# Altium PCB can_gateway_v3s_hardwave.PcbDoc (part 1 of 2) (continued)
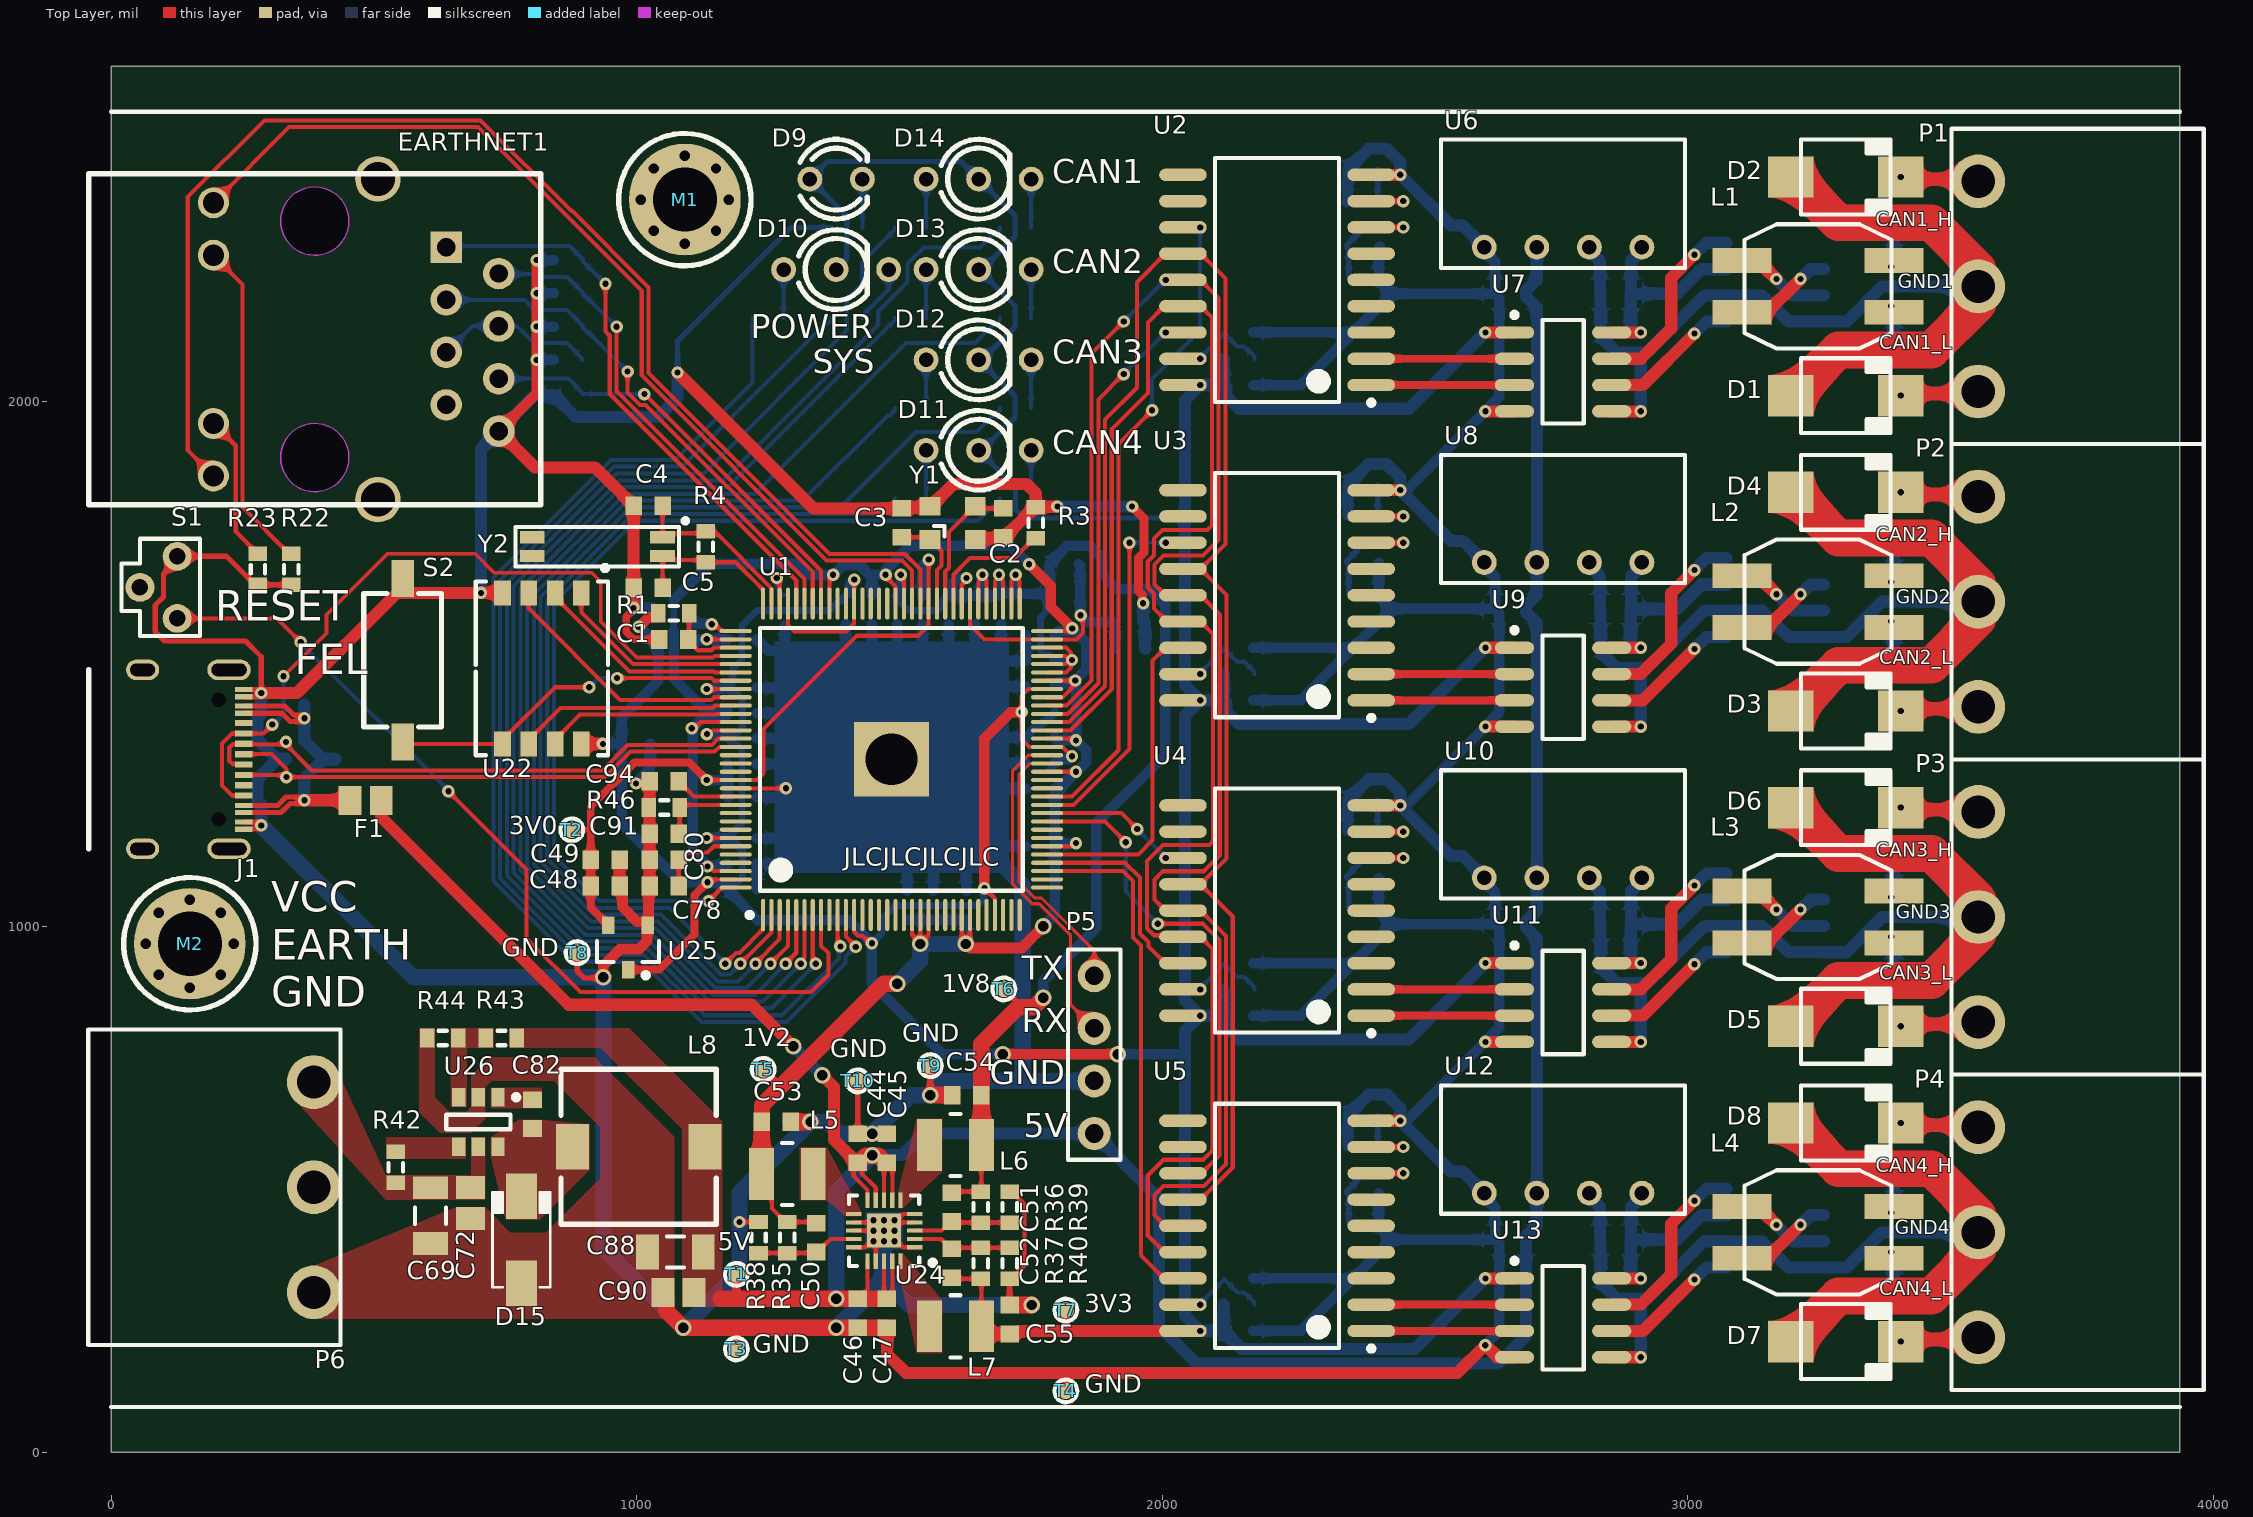
[diagram p0: Top Layer view]
## Footprints (in the part's own frame and the unit in brackets; to place one, negate y for a bottom-side part, rotate by r counter-clockwise, add the part's x,y. Pads: shape width x height; smd on the part's side, far side on the other; paste and mask are expansions set on the pad)
B_S-1WR2 [mm]
  round 1.2 hole 0.7: 1(0,0) 2(2.54,0) 3(5.08,0) 4(7.62,0)
  silkscreen extent -2.09,-1 9.71,5.2
CAPC1608L [mm] "Chip Capacitor, Body 1.6x0.8mm, IPC High Density"
  rect 0.8x0.9 smd: 1(-0.7,0) 2(0.7,0)
  body extent -0.87,-0.48 0.87,0.48, height 0.85
CAPC2012L [mm] "Chip Capacitor, Body 2.0x1.3mm, IPC High Density"
  rect 1.1x1.4 smd: 1(-0.75,0) 2(0.75,0)
  body extent -1.1,-0.72 1.1,0.72, height 1.4
CAPC3216L [mm] "Chip Capacitor, Body 3.2x1.6mm, IPC High Density"
  rect 1.1x1.7 smd: 1(-1.35,0) 2(1.35,0)
  silkscreen extent -0.4,-0.75 0.4,0.75, body extent -1.7,-0.9 1.7,0.9, height 1.35
DO-214AA [mm] "SMB"
  rect 2.2x2 smd: 1(-2.659,0) 2(2.661,0)
  silkscreen extent -2.16,-1.81 2.16,1.81
DO-214AC [mm] "SMA"
  rect 2.2x1.5 smd: 1(-2.1,0) 2(2.1,0)
  silkscreen extent -2.3,-1.4 2.3,1.4, body extent -2.6,-1.3 2.6,1.3, height 2.42
FUSE2012L [mm] "Body 2.0x1.2mm, IPC Low Density"
  rect 1.1x1.4 smd: 1(-0.75,0) 2(0.75,0)
  body extent -1.1,-0.72 1.1,0.72, height 1.4
HDR1X4 [mm] "Connector; Header; 4 Position"
  round 1.6 hole 0.9: 1(0,0) 2(2.54,0) 3(5.08,0) 4(7.62,0)
  silkscreen extent -1.27,-1.27 8.89,1.27
HR911105A [mm]
  rect 1.524x1.524 hole 0.889: 1(4.45,-6.35)
  round 1.524 hole 0.889: 2(3.18,-8.89) 3(1.91,-6.35) 4(0.64,-8.89) 5(-0.63,-6.35) 6(-1.9,-8.89) 7(-3.17,-6.35) 8(-4.44,-8.89)
  round 1.5 hole 1.02: 9(6.6,4.9) 10(4.064,4.9) 11(-4.064,4.9) 12(-6.6,4.9)
  round 2.2 hole 1.65: 13(7.75,-3.048) 14(-7.75,-3.048)
  Keep-Out Layer circle w0.051: c5.716,0 r1.65
  Keep-Out Layer circle w0.051: c-5.714,0 r1.65
  silkscreen extent -8,-10.92 8,10.92
IND0163-B [mm]
  rect 2.85x1.2 smd: 1(0,0) 2(7.35,0) 3(7.35,2.5) 4(0,2.5)
  silkscreen extent 0.13,-1.75 7.23,4.25
IND3012_L [mm] "Precision Wire Wound Inductor, 2-Leads, Body 3.00x3.00mm, IPC High Density"
  rect 1.2x2.5 smd: 1(-1.25,0) 2(1.25,0)
  silkscreen extent -0.25,-1.5 0.25,1.5, body extent -1.5,-1.5 1.5,1.5, height 1.2
IND_7545 [mm]
  rect 1.6x2.2 smd: 1(0,0) 2(6.4,0)
  silkscreen extent -0.55,-3.75 6.95,3.75
KF2EDGR-5.08-3P_S [mm]
  round 2.6 hole 1.6: 1(0,0) 2(5.08,0) 3(10.16,0)
  silkscreen extent -2.54,-1.3 12.7,10.9
LED_3 [mm] "3MM 发光二极管"
  round 1.2 hole 0.7: 1(-1.27,0) 2(1.27,0)
  silkscreen extent -1.74,-1.92 1.5,1.92
LED_3x2 [mm] "3MM 红绿双色 共阳 发光二极管"
  round 1.2 hole 0.7: 1(-2.54,0) 2(0,0) 3(2.54,0)
  silkscreen extent -1.81,-1.92 1.5,1.92
M3 [mm]
  round 0.5 hole 0.5: 1(-2.125,0) 1(-1.503,-1.503) 1(-1.503,1.503) 1(0,-2.125) 1(0,2.125) 1(1.503,-1.503) 1(1.503,1.503) 1(2.125,0)
  round 5.4 hole 3.1: 1(0,0)
MC-146 [mm] "kHz无源晶体 7.0mmx1.5mm"
  rect 1.2x0.6 smd: 0(6.3,0) 0(6.3,0.9) 1(0,0) 2(0,0.9)
  silkscreen extent -1.2,-0.9 7.1,1.4
QFN8_L [mm] "QFN, 8-Leads, Body 8.00x6.00mm, Pitch 1.27mm, IPC High Density"
  rect 1.2x0.8 smd: 1(-3.65,1.905) 2(-3.65,0.635) 3(-3.65,-0.635) 4(-3.65,-1.905) 5(3.65,-1.905) 6(3.65,-0.635) 7(3.65,0.635) 8(3.65,1.905)
  silkscreen extent -4.97,-3.2 4.2,3.2, body extent -4.05,-3.05 4.05,3.05, height 0.95
QFN20_L [mm] "QFN, 20-Leads, Body 3.00x3.00mm, Pitch 0.40mm, Thermal Pad 1.65x1.65mm, IPC High Density"
  rect 0.75x0.2 smd: 1(-1.475,0.8) 2(-1.475,0.4) 3(-1.475,0) 4(-1.475,-0.4) 5(-1.475,-0.8) 11(1.475,-0.8) 12(1.475,-0.4) 13(1.475,0) 14(1.475,0.4) 15(1.475,0.8)
  rect 0.2x0.75 smd: 6(-0.8,-1.475) 7(-0.4,-1.475) 8(0,-1.475) 9(0.4,-1.475) 10(0.8,-1.475) 16(0.8,1.475) 17(0.4,1.475) 18(0,1.475) 19(-0.4,1.475) 20(-0.8,1.475)
  rect 1.65x1.65 smd: 21(0,0)
  silkscreen extent -2.48,-1.7 1.7,1.7, body extent -1.55,-1.55 1.55,1.55, height 0.8
RESC1005L [mm] "Chip Resistor, Body 1.1x0.5mm, IPC High Density"
  rect 0.6x0.6 smd: 1(-0.5,0) 2(0.5,0)
  body extent -0.55,-0.3 0.55,0.3, height 0.4
RESC1608L [mm] "Chip Resistor, Body 1.6x0.8mm, IPC High Density"
  rect 0.7x0.9 smd: 1(-0.75,0) 2(0.75,0)
  silkscreen extent -0.2,-0.35 0.2,0.35, body extent -0.85,-0.48 0.85,0.48, height 0.6
RESC3216L [mm] "Chip Resistor, Body 3.2x1.6mm, IPC High Density"
  rect 1.1x1.7 smd: 1(-1.35,0) 2(1.35,0)
  silkscreen extent -0.4,-0.75 0.4,0.75, body extent -1.68,-0.87 1.68,0.87, height 0.71
SOIC8_L [mm] "SOIC, 8-Leads, Body 4.9x3.9mm, Pitch 1.27mm, IPC High Density"
  oval 1.9x0.6 smd: 1(-2.35,1.905) 2(-2.35,0.635) 3(-2.35,-0.635) 4(-2.35,-1.905) 5(2.35,-1.905) 6(2.35,-0.635) 7(2.35,0.635) 8(2.35,1.905)
  silkscreen extent -2.47,-2.5 1,2.88, body extent -2,-2.5 2,2.5, height 1.75
SOIC18_N [mm] "SOIC, 18-Leads, Body 11.5x7.5mm, Pitch 1.27mm, IPC Medium Density"
  oval 2.3x0.6 smd: 1(-4.55,5.08) 2(-4.55,3.81) 3(-4.55,2.54) 4(-4.55,1.27) 5(-4.55,0) 6(-4.55,-1.27) 7(-4.55,-2.54) 8(-4.55,-3.81) 9(-4.55,-5.08) 10(4.55,-5.08) 11(4.55,-3.81) 12(4.55,-2.54) 13(4.55,-1.27) 14(4.55,0) 15(4.55,1.27) 16(4.55,2.54) 17(4.55,3.81) 18(4.55,5.08)
  silkscreen extent -4.67,-5.9 3,6.05, body extent -3.8,-5.95 3.8,5.95, height 2.65
SOT23-6_L [mm] "SOT23, 6-Leads, Body 2.9x1.6mm, Pitch 0.95mm, Lead Span 2.7mm, IPC High Density"
  rect 0.9x0.65 smd: 1(-1.2,0.95) 2(-1.2,0) 3(-1.2,-0.95) 4(1.2,-0.95) 5(1.2,0) 6(1.2,0.95)
  silkscreen extent -1.32,-1.55 0.35,1.95, body extent -0.9,-1.55 0.9,1.55, height 1.45
SOT23_L [mm] "SOT23, 3-Leads, Body 2.9x1.3mm, Pitch 0.95mm, Lead Span 2.3mm - Reverse Pinning, IPC High Density"
  rect 0.85x0.6 smd: 1(1.075,0) 2(-1.075,-0.95) 3(-1.075,0.95)
  silkscreen extent -0.3,-1.5 1.48,1.5, body extent -0.7,-1.5 0.7,1.5, height 1.1
SW-3x6 [mm] "3x6x2.5mm"
  rect 1.8x1.1 smd: 1(0,0) 2(7.9,0)
  silkscreen extent 0.72,-1.88 7.18,1.88
SW_4.5x3.8 [mm] "边三脚 4.5*4.5*3.8MM 微动开关"
  round 1.4 hole 0.8: 1(-1.5,0.9) 2(1.5,0.9) 3(0,-0.9)
  silkscreen extent -2.35,-1.8 2.35,2
TEST_POINT_0.8 [mm] "测试点"
  round 0.8 smd: 1(0,0)
  silkscreen extent -0.55,-0.55 0.55,0.55
USB_TYPEC_16P [mm]
  rect 0x0 hole 0.7 unplated: 0(-1.065,-2.5) 0(4.715,-2.5)
  rect 0.25x0.85 smd: 1(-1.2,-1.285) 2(-0.4,-1.285) 7(4.05,-1.285) 8(4.85,-1.285) 9(5.2,-1.285) 10(4.4,-1.285) 15(-0.75,-1.285) 16(-1.55,-1.285)
  rect 0.3x0.85 smd: 3(0.575,-1.285) 4(1.575,-1.285) 5(2.075,-1.285) 6(3.075,-1.285) 11(3.575,-1.285) 12(2.575,-1.285) 13(1.075,-1.285) 14(0.075,-1.285)
  oval 1x2.1 hole 0.6 slot 1.7 at 90 deg: 17(-2.5,-2) 17(6.15,-2)
  oval 1x1.6 hole 0.6 slot 1.2 at 90 deg: 17(-2.5,-6.18) 17(6.15,-6.18)
  silkscreen extent -2.5,-8.78 6.15,-8.78
V3S_L [mm] "Thin QFP, 128-Leads, Body 14x14mm, Pitch 0.4mm, IPC High Density"
  oval 1.55x0.2 smd: 1(-7.525,6.2) 2(-7.525,5.8) 3(-7.525,5.4) 4(-7.525,5) 5(-7.525,4.6) 6(-7.525,4.2) 7(-7.525,3.8) 8(-7.525,3.4) 9(-7.525,3) 10(-7.525,2.6) 11(-7.525,2.2) 12(-7.525,1.8) 13(-7.525,1.4) 14(-7.525,1) 15(-7.525,0.6) 16(-7.525,0.2) 17(-7.525,-0.2) 18(-7.525,-0.6) 19(-7.525,-1) 20(-7.525,-1.4) 21(-7.525,-1.8) 22(-7.525,-2.2) 23(-7.525,-2.6) 24(-7.525,-3) 25(-7.525,-3.4) 26(-7.525,-3.8) 27(-7.525,-4.2) 28(-7.525,-4.6) 29(-7.525,-5) 30(-7.525,-5.4) 31(-7.525,-5.8) 32(-7.525,-6.2) 65(7.525,-6.2) 66(7.525,-5.8) 67(7.525,-5.4) 68(7.525,-5) 69(7.525,-4.6) 70(7.525,-4.2) 71(7.525,-3.8) 72(7.525,-3.4) 73(7.525,-3) 74(7.525,-2.6) 75(7.525,-2.2) 76(7.525,-1.8) 77(7.525,-1.4) 78(7.525,-1) 79(7.525,-0.6) 80(7.525,-0.2) 81(7.525,0.2) 82(7.525,0.6) 83(7.525,1) 84(7.525,1.4) 85(7.525,1.8) 86(7.525,2.2) 87(7.525,2.6) 88(7.525,3) 89(7.525,3.4) 90(7.525,3.8) 91(7.525,4.2) 92(7.525,4.6) 93(7.525,5) 94(7.525,5.4) 95(7.525,5.8) 96(7.525,6.2)
  oval 0.2x1.55 smd: 33(-6.2,-7.525) 34(-5.8,-7.525) 35(-5.4,-7.525) 36(-5,-7.525) 37(-4.6,-7.525) 38(-4.2,-7.525) 39(-3.8,-7.525) 40(-3.4,-7.525) 41(-3,-7.525) 42(-2.6,-7.525) 43(-2.2,-7.525) 44(-1.8,-7.525) 45(-1.4,-7.525) 46(-1,-7.525) 47(-0.6,-7.525) 48(-0.2,-7.525) 49(0.2,-7.525) 50(0.6,-7.525) 51(1,-7.525) 52(1.4,-7.525) 53(1.8,-7.525) 54(2.2,-7.525) 55(2.6,-7.525) 56(3,-7.525) 57(3.4,-7.525) 58(3.8,-7.525) 59(4.2,-7.525) 60(4.6,-7.525) 61(5,-7.525) 62(5.4,-7.525) 63(5.8,-7.525) 64(6.2,-7.525) 97(6.2,7.525) 98(5.8,7.525) 99(5.4,7.525) 100(5,7.525) 101(4.6,7.525) 102(4.2,7.525) 103(3.8,7.525) 104(3.4,7.525) 105(3,7.525) 106(2.6,7.525) 107(2.2,7.525) 108(1.8,7.525) 109(1.4,7.525) 110(1,7.525) 111(0.6,7.525) 112(0.2,7.525) 113(-0.2,7.525) 114(-0.6,7.525) 115(-1,7.525) 116(-1.4,7.525) 117(-1.8,7.525) 118(-2.2,7.525) 119(-2.6,7.525) 120(-3,7.525) 121(-3.4,7.525) 122(-3.8,7.525) 123(-4.2,7.525) 124(-4.6,7.525) 125(-5,7.525) 126(-5.4,7.525) 127(-5.8,7.525) 128(-6.2,7.525)
  rect 3.61x3.61 smd: 129(0,0)
  silkscreen extent -7.65,-6.35 6.35,6.97, body extent -7,-7 7,7, height 1.6
XTAL-3225 [mm]
  rect 1x0.9 smd: 1(-1.098,-0.798) 2(1.098,-0.798) 3(1.098,0.798) 4(-1.098,0.798)
  silkscreen extent -0.91,-0.66 -0.4,-0.15

## Part data
C1 C2 C3 C4 C5 C6 C7 C8 C9 C10 C11 C12 C13 C14 C15 C16 C17 C18 C19 C20 C21 C22 C23 C24 C25 C26 C27 C28 C29 C30 C31 C32 C33 C34 C35 C36 C37 C38 C39 C40 C41 C42 C43 C44 C45 C46 C47 C48 C49 C50 C51 C52 C53 C54 C55 C56 C57 C58 C59 C60 C61 C62 C63 C64 C65 C66 C67 C68 C69 C70 C71 C72 C73 C74 C75 C76 C77 C78 C79 C80 C81 C82 C83 C84 C85 C86 C87 C88 C89 C90 C91 C92 C93 C94: library part Cap1, "Capacitor", LatestRevisionDate=17-Jul-2002, LatestRevisionNote="Re-released for DXP Platform.", PackageReference=RAD-0.3, Published=8-Jun-2000, Publisher="Altium Limited"
D1 D2 D3 D4 D5 D6 D7 D8: library part Tranzorb1, "Transient Voltage Suppression (TVS) Diode", LatestRevisionDate=17-Jul-2002, LatestRevisionNote="Re-released for DXP Platform.", PackageDescription="Axial Lead Diode", PackageReference=DO-7, Published=24-Mar-1999, Publisher="Altium Limited"
D9: "Typical RED GaAs LED", LatestRevisionDate=08-Jul-2005, LatestRevisionNote="Mech Layer 1 removed.", PackageDescription="LED; 2 Leads", PackageReference=LED-1, Published=8-Jun-2000, Publisher="Altium Limited"
D10 D11 D12 D13 D14: "共阳红绿双色二极管", LatestRevisionDate=08-Jul-2005, LatestRevisionNote="Mech Layer 1 removed.", PackageDescription="LED; 2 Leads", PackageReference=LED-1, Published=8-Jun-2000, Publisher="Altium Limited"
D15: library part "D Schottky", "Schottky Diode", Code_JEDEC=DO-214-AA, LatestRevisionDate=17-Jul-2002, LatestRevisionNote="Re-released for DXP Platform.", PackageReference=SMB, Published=8-Jun-2000, Publisher="Altium Limited"
F1: library part "Fuse 2", "Fuse", LatestRevisionDate=17-Jul-2002, LatestRevisionNote="Re-released for DXP Platform.", PackageDescription="Thru-Hole; 2 Leads", PackageReference=PIN-W2/E2.8, Published=8-Jun-2000, Publisher="Altium Limited"
L1 L2 L3 L4: library part Inductor1, "共模电感", Code_IEC=1005, Code_JEITA=0402, LatestRevisionDate=29-May-2009, LatestRevisionNote="IPC-7351 Footprint Added.", PackageDescription="Chip Inductor", PackageReference=0402-A, Published=8-Jun-2000, Publisher="Altium Limited"
L5 L6 L7 L8: library part Inductor, "Inductor", Code_IEC=1005, Code_JEITA=0402, LatestRevisionDate=29-May-2009, LatestRevisionNote="IPC-7351 Footprint Added.", PackageDescription="Chip Inductor", PackageReference=0402-A, Published=8-Jun-2000, Publisher="Altium Limited"
P1 P2 P3 P4 P6: "Header, 3-Pin", LatestRevisionDate=17-Jul-2002, LatestRevisionNote="Re-released for DXP Platform.", Publisher="Altium Limited"
P5: "Header, 4-Pin", LatestRevisionDate=17-Jul-2002, LatestRevisionNote="Re-released for DXP Platform.", Publisher="Altium Limited"
R1 R2 R3 R4 R5 R6 R7 R8 R9 R10 R11 R12 R13 R14 R15 R16 R17 R18 R19 R20 R21 R22 R23 R24 R25 R26 R27 R28 R29 R30 R31 R32 R33 R34 R35 R36 R37 R38 R39 R40 R41 R42 R43 R44 R45 R46 R47: library part Res1, "Resistor", LatestRevisionDate=17-Jul-2002, LatestRevisionNote="Re-released for DXP Platform.", PackageReference=AXIAL-0.4, Published=8-Jun-2000, Publisher="Altium Limited"
S1 S2: "Switch", LatestRevisionDate=17-Jul-2002, LatestRevisionNote="Re-released for DXP Platform.", PackageDescription="Switch; 2 Leads", PackageReference=SPST-2, Published=24-Mar-1999, Publisher="Altium Limited"
T1 T2 T3 T4 T5 T6 T7 T8 T9 T10: "测试点"
U1: "全志 ARM Cortex-A7 SoC，内置64MB DDR2"
U2 U3 U4 U5: "Stand-Alone CAN Controller With SPI Interface, 18-Pin SOIC, Industrial Temperature", Supplier Part Number 1=MCP2515-I/SO-ND, Code_JEDEC=MS-013, ComponentLink1Description=Datasheet, ComponentLink1URL=http://ww1.microchip.com/downloads/en/DeviceDoc/21801e.pdf, ComponentLink2Description="Packaging Specification", ComponentLink2URL=http://www.microchip.com/stellent/groups/techpub_sg/documents/packagingspec/en012702.pdf, ComponentLink3Description="Microchip.com Home", ComponentLink3URL=http://www.microchip.com/, DatasheetVersion="revE, Nov-2007", PackageDescription="18-Lead Plastic Small Outline (SO) - Wide 7.50mm Body [SOIC]", PackageReference=SOIC-SO18, PackageVersion="revBB, Aug-2009", Published=29-Jan-2009, Publisher="Altium Limited", Supplier 1=Digi-Key, Supplier 2=Farnell, Supplier Part Number 2=1292239
U6 U8 U10 U12: "DC/DC 模块电源 1W，定电压输入，隔离非稳压单路输出"
U7 U9 U11 U13: library part ADUM1201, "双通道数字隔离器（1/1通道方向性）"
U14 U15 U16 U17: "具有待机模式的高速CAN收发器"
U18 U19 U20 U21: library part Tranzorb2
U22: "贴片式SD卡"
U23: library part NUP4201
U25: library part LDO-SOT23-3
U26: "1.2A, 24V, 1.4MHz异步降压转换器"
Y1 Y3 Y4 Y5 Y6: library part XTAL_PASSIVE_4, "Crystal Oscillator", LatestRevisionDate=17-Jul-2002, LatestRevisionNote="Re-released for DXP Platform.", PackageDescription="Crystal, Thru-Hole; 2 Leads; Body 3.1 x 8.2 mm (Dia.xH)", PackageReference=R38, Published=8-Jun-2000, Publisher="Altium Limited"
Y2: library part XTAL, "Crystal Oscillator", LatestRevisionDate=17-Jul-2002, LatestRevisionNote="Re-released for DXP Platform.", PackageDescription="Crystal, Thru-Hole; 2 Leads; Body 3.1 x 8.2 mm (Dia.xH)", PackageReference=R38, Published=8-Jun-2000, Publisher="Altium Limited"

## Free pads (board coordinates)
  round 137.8 hole 98.43: 2(1485.04,1319.03)

## Via types
v1: diameter 23.62, hole 11.81, Top Layer to Bottom Layer, tented both sides, 159 vias
v2: diameter 31.5, hole 19.68, Top Layer to Bottom Layer, tented both sides, 18 vias
v3: diameter 23.62, hole 11.81, Top Layer to Bottom Layer, 2 vias

## Nets (pads, with @x,y where several pads share a name; then routed paths per layer and width w, separated by ;. In a path a pad name is that pad's centre, name@x,y a point inside that pad or via, vN(x,y) a via of type N, cw(c..) or ccw(c..) an arc to the next point about the centre after c; other vN are vias at no path point)
1V2: C50.2 C53.2 C56.2 C58.2 C60.2 C62.2 C64.2 C65.2 C67.2 C70.2 C73.2 C75.2 C77.2 L5.2 R35.2 T5.1 U1.19 U1.20 U1.21 U1.25 U1.26 U1.38 U1.47 U1.51 U1.56 U1.58 U1.64 U1.80 U1.88 U1.108 U1.126 | length 4535.9
  Top Layer w7.8: v1@1109,1381 1113.28,1381 1122.05,1389.76 U1.108@1188.78,1389.76 ; v1(1135,1115) 1137.87,1115 1146.57,1106.3 U1.126@1188.78,1106.3 ; L5.2@1237.79,530 1257.51,510.28 1257.51,464.16 1283.14,438.53 R35.2@1287.08,438.53 1340.11,438.53 C50.2@1342.08,436.56 ; U1.88@1366.93,1615.16 v1@1366.93,1668.38 ; v1(1474,1670) 1474,1667 1492.9,1648.1 U1.80@1492.9,1615.17 ; U1.19@1524.41,1022.64 1524.42,985.15 v2@1540.16,969.42 ; U1.20@1540.16,1022.64 v2@1540.16,969.42 ; U1.21@1555.89,1022.62 1555.89,985.15 v2@1540.16,969.42 ; U1.25@1618.9,1022.64 1618.9,979.79 v2@1626.77,971.92 ; v2(1626.77,967.64) v2@1626.77,971.92 ; U1.26@1634.65,1022.64 1634.65,979.79 v2@1626.77,971.92 ; U1.38@1781.3,1153.54 1826.02,1153.54 1832.02,1159.54 v1(1836.3,1159.54) ; U1.47@1781.3,1295.28 v1@1834.52,1295.28 ; U1.51@1781.3,1358.27 v1@1834.52,1358.27 ; U1.56@1781.3,1437.01 1810.28,1437.01 1831.97,1458.7 1831.97,1465.96 1834.52,1468.5 U1.58@1781.3,1468.5 ; U1.64@1781.3,1562.99 v1@1834.52,1562.99
  Top Layer w10: T5.1@1241,729 1274,696
  Top Layer w20: v2(1626.77,967.64) 1627.75,967.64 1635.49,959.9 1732.9,959.9 v2(1774,1001) ; v1(1747,1690) 1788,1649 1788,1609 v1(1829,1568)
  Top Layer w31: L5.2@1237.79,530 1238.19,530.41 1238.19,628.75 C53.2@1238.44,629 1238.69,629.25 1238.69,660.69 1274,696 1470,892 v2(1496,892)
  Bottom Layer w13: 1071,1562.88 1071,1622.72
  Bottom Layer w20: 1071,1562.88 1071,1472 1129,1414 1168.27,1414 1174.02,1408.25 C73.2@1174.02,1407 1174.02,1405.03 1168.27,1399.28 1128.37,1399.28 1106.97,1377.88 1106.97,1144.01 1135,1115.98 v1(1135,1115) 1135.69,1115.69 1169.71,1115.69 C75.2@1174.02,1120 ; 1071,1622.72 1139.09,1690.81 1308.18,1690.81 1328.84,1670.16 v1(1374,1670.16) 1374.98,1670.16 1392.63,1687.81 1425.28,1687.81 1442.93,1670.16 1448,1670.16 ; C70.2@1448,1629.92 1448,1670.16 ; C77.2@1515,1013.44 C58.2@1565,1013.44 C56.2@1627,1013.44 1626.89,1013.33 1626.89,967.75 v2(1626.77,967.64) ; v1(1747,1690) 1711.19,1725.81 1520.89,1725.81 1474.69,1679.61 1474.69,1670.69 v1(1474,1670) 1448.16,1670 1448,1670.16 ; v2(1774,1001) 1796.06,1023.06 C64.2@1796.06,1153.54 ; C62.2@1796.06,1360.33 1800.7,1355.69 1835.61,1355.69 v1(1836.3,1355) ; C67.2@1796.06,1457.67 1796.06,1459.63 1801.81,1465.38 1830.4,1465.38 1834.02,1469 v1(1835,1469) ; C65.2@1796.06,1555 1796.06,1556.97 1801.81,1562.72 1822.74,1562.72 1828.02,1568 v1(1829,1568) 1829,1567.02 1855.43,1540.59 1855.43,1490.41 1835.69,1470.67 1835.69,1469.61 1836.3,1469 v1(1836.3,1355) ; v1(1836.3,1159.54) 1835.61,1158.85 1801.37,1158.85 C64.2@1796.06,1153.54 ; C64.2@1796.06,1153.54 C60.2@1796.06,1263 1798.77,1265.71 1806.73,1265.71 v1(1836.3,1295.28) 1837.05,1295.28 1855.43,1313.66 1855.43,1335.87 v1(1836.3,1355)
  Bottom Layer w31: v2(1496,892) 1540.06,936.06 1540.06,967.54 v2(1540.16,967.64) v2(1626.77,967.64)
  other v1: 1105,1378
1V8: C51.2 C54.2 C79.2 C81.2 C83.2 C85.2 C86.2 C92.2 L6.2 R36.2 R45.1 T6.1 U1.59 U1.60 U1.61 U1.62 U1.65 U1.66 U1.67 U1.68 U1.69 U1.70 U1.72 U1.79 | length 3108
  Top Layer w7.8: U1.79@1508.66,1615.16 v1@1508.66,1660.06 ; C51.2@1599.94,494.56 1601.91,496.53 R36.2@1654.94,496.53 1656.21,497.8 L6.2@1656.21,585 ; U1.72@1618.91,1615.17 1618.91,1650.63 1628,1659.72 v1(1628,1664) ; U1.70@1650.39,1615.16 1650.39,1658 v1@1658.27,1665.88 ; v1(1658.27,1670.16) v1@1658.27,1665.88 ; U1.69@1666.14,1615.16 1666.14,1658 v1@1658.27,1665.88 ; U1.68@1681.89,1615.16 1681.89,1658 v1@1689.76,1665.88 ; v1(1689.76,1670.16) v1@1689.76,1665.88 ; U1.67@1697.64,1615.16 1697.64,1658 v1@1689.76,1665.88 ; U1.66@1713.39,1615.16 1713.39,1658 v1@1721.26,1665.88 ; v1(1721.26,1670.16) v1@1721.26,1665.88 ; U1.65@1729.13,1615.16 1729.13,1658 v1@1721.26,1665.88 ; U1.59@1781.31,1484.27 1817.27,1484.27 1826,1493 1826,1505.25 v1(1828.62,1507.87) ; U1.60@1781.31,1500.01 1816.48,1500.01 1824.34,1507.87 1816.48,1515.73 U1.61@1781.31,1515.73 ; U1.62@1781.31,1531.48 1817.27,1531.48 1826,1522.75 v1@1826,1510.5
  Top Layer w10: T6.1@1699,882 1726,855 1726,847
  Top Layer w31: L6.2@1656.21,585 C54.2@1656.21,680 1656.21,777.21 1726,847 1756,847 v2(1774,865)
  Bottom Layer w13: C86.2@1496,1629.92 1496,1623 1516.95,1602.05 1573.05,1602.05 1582.68,1611.68 1582.68,1620.67 C81.2@1591.93,1629.92 ; R45.1@1784.47,1638 1780.43,1633.96 1780.43,1600.8 1768.81,1589.19 1768.81,1527.19 1778.45,1517.55 1786.81,1517.55 1796.06,1508.3 C85.2@1796.06,1506.33
  Bottom Layer w20: C86.2@1496,1629.92 1503.69,1637.61 1503.69,1669.31 v1(1503,1670) ; C81.2@1591.93,1629.92 C81.2@1593.9,1629.92 C81.2@1595.87,1629.92 ; v1(1628,1664) 1627.31,1663.31 1610.72,1663.31 1601.61,1654.21 1601.61,1635.67 C81.2@1595.87,1629.92 ; C79.2@1643.95,1629.92 C81.2@1595.87,1629.92 ; C79.2@1649.7,1629.92 C83.2@1694,1629.92 ; C79.2@1649.7,1633.7 1657.57,1641.58 1657.57,1669.46 v1(1658.27,1670.16) ; v1(1689.76,1670.16) 1690.46,1669.46 1690.46,1633.46 C83.2@1694,1629.92 ; v1(1721.26,1670.16) 1720.57,1669.46 1720.57,1643.57 C83.2@1710.96,1633.96 ; v2(1774,865) 1774,897 1875,998 1875,1197 2006,1328 2006,1612 1975,1643 1915,1643 1886,1672 1886,1702 1863,1725 1819.47,1725 1786.44,1691.97 C92.2@1786.44,1690 1785.46,1689.02 1785.46,1638.98 R45.1@1784.47,1638 ; R45.1@1780.43,1633.96 C83.2@1710.96,1633.96 ; C85.2@1796.06,1506.33 1796.91,1507.18 1827.93,1507.18 v1(1828.62,1507.87) ; C83.2@1694,1629.92 1698.04,1633.96 C83.2@1710.96,1633.96
3.3V_ETH: C38.2 EARTHNET1.4 EARTHNET1.5 | length 308.3
  Bottom Layer w7.8: EARTHNET1.5@637.76,2093.34 687.76,2143.34 EARTHNET1.4@737.76,2143.34 772.66,2143.34 805,2111 867.53,2111 897.56,2080.97 C38.2@897.56,2079
3V0: C48.2 C49.2 C74.2 C87.2 C89.2 T2.1 U1.76 U1.115 U25.2 | length 1443.2
  Top Layer w7.8: v1@1135.56,1279.53 U1.115@1188.78,1279.53 1229.54,1279.54 1242,1292 1242,1377 1419,1554 1536,1554 1555.91,1573.91 U1.76@1555.91,1615.16 1555.92,1698.92 v1(1556,1699)
  Top Layer w10: T2.1@876.78,1184.78 912.78,1184.78
  Top Layer w15: 913,1185 912.85,1184.85 ; U25.2@946.6,1003.32 912.85,1037.07 C48.2@912.85,1077.98 C49.2@912.85,1127.75 912.85,1184.85 ; v1@1135.56,1279.53 v1(1133.78,1279.53) 1100.31,1313 996,1313 912.85,1229.85 912.85,1184.85
  Bottom Layer w20: v1(1133.78,1279.53) 1134.47,1278.83 1173.51,1278.83 1174.02,1278.32 ; C89.2@1174.02,1246.61 1174.02,1278.32 ; C87.2@1174.02,1310.04 1174.02,1278.32 ; C74.2@1544,1629.92 1544,1686.02 1556,1698.02 v1(1556,1699)
3V3: C18.2 C19.2 C20.2 C21.2 C43.1 C52.2 C55.2 C57.2 C59.2 C61.2 C63.2 C66.2 C68.2 C76.2 D9.1 D10.2 D11.2 D12.2 D13.2 D14.2 L7.2 R1.1 R5.1 R6.1 R7.1 R8.1 R37.2 R41.1 T7.1 U1.12 U1.29 U1.50 U1.57 U1.85 U1.93 U1.104 U1.109 U1.122 U1.127 U2.18 U3.18 U4.18 U5.18 U7.1 U9.1 U11.1 U13.1 U22.8 U25.1 | length 11718.9
  Top Layer w7.8: v1@1135.56,1169.29 U1.122@1188.78,1169.29 ; v1@1135.56,1452.76 U1.104@1188.78,1452.76 ; v1@1144.83,1090.55 U1.127@1188.78,1090.55 ; 1145.3,1374.02 U1.109@1188.78,1374.02 ; U1.93@1288.2,1615.14 1288.2,1574.8 1301,1562 1399,1562 1414,1577 1414,1615.33 U1.85@1414.17,1615.16 v1(1414.17,1661) ; U1.12@1414.17,1022.64 1414.19,990.81 1421.94,983.06 1429.66,983.06 1443.72,969 v1(1448,969) ; C52.2@1599.94,332.44 1601.91,330.47 R37.2@1654.94,330.47 1656.21,329.2 L7.2@1656.21,240 ; v1(1662,1074) 1681.89,1054.11 U1.29@1681.89,1022.64 ; U1.50@1781.31,1342.51 1810.88,1342.51 v1(1828.62,1324.76) ; U1.50@1781.3,1342.52 1747.47,1342.53 1733,1357 v1(1733,1409) 1733,1440 1745.74,1452.74 U1.57@1781.29,1452.74
  Top Layer w10: 1817,231.18 T7.1@1817,271
  Top Layer w15: U25.1@984,918.68 1042.68,918.68 1110.68,986.68 1110.68,1060.68 v1(1135,1085)
  Top Layer w20: v1(1004,1571) 1004.98,1571 1023.44,1589.46 1037.15,1589.46 1040.93,1593.24 R1.1@1040.93,1597.18 ; v1(1662,1074) 1662,1358 1712.31,1408.31 1732.31,1408.31 v1(1733,1409) ; v2(1697,758) v2(1916,758)
  Top Layer w23: U22.8@895,1348.3 v1(936,1348.3) ; L7.2@1656.21,240 1656.21,237.56 1668.33,225.44 C55.2@1709.94,225.44 1721.44,225.44 1727.18,231.18 1817,231.18 U5.18@2039.78,231.18 ; v1(2615.3,331.18) U13.1@2670.63,331.18 ; v1(2615.3,931.18) U11.1@2670.63,931.18 ; v1(2615.3,1531.18) U9.1@2670.63,1531.18 ; v1(2615.3,2131.18) U7.1@2670.63,2131.18
  Bottom Layer w10: D10.2@1379.82,2251 1400,2271.18 1400,2352.82 D9.1@1329.82,2423 1363.44,2456.62 1617.38,2456.62 D14.2@1651,2423 1720,2354 1720,2313.51 D13.2@1657.49,2251 ; D12.2@1651,2079 1720,2010 1720,1969.51 1657.49,1907 D11.2@1651,1907 1721,1837 1721,1794 1737,1778 2044,1778 ; D13.2@1651,2251 1720,2182 1720,2141.51 D12.2@1657.49,2079
  Bottom Layer w13: C61.2@1174.02,1072 1174.02,1073.97 1183.26,1083.22 1192.22,1083.22 1201.89,1092.89 1201.89,1145.11 1189.22,1157.78 1183.26,1157.78 1174.02,1167.03 C76.2@1174.02,1169 1174.02,1170.97 1201.26,1198.22 1201.26,1337.74 1191.22,1347.78 1183.26,1347.78 1174.02,1357.03 C66.2@1174.02,1359 1174.02,1360.56 1174.02,1360.97 1183.26,1370.22 1193.22,1370.22 1201.89,1378.89 1201.89,1433.11 1191.22,1443.78 1183.26,1443.78 1174.02,1453.03 C63.2@1174.02,1455 1183.26,1464.25 1183.26,1492.22 1201.26,1510.22 1201.26,1574.26 1229.05,1602.05 1368.16,1602.05 1396.03,1629.92 C68.2@1398,1629.92 ; v1(1448,969) 1467,988 1467,1015.17 1492.52,1040.69 1648.86,1040.69 1659.97,1051.8 1659.97,1071.97 v1(1662,1074) ; C57.2@1786.81,1300.45 1796.06,1309.7 C57.2@1796.06,1311.67
  Bottom Layer w20: v1(936,1348.3) C43.1@971.44,1348.3 ; v1(1004,1571) 1004.98,1571 1028.26,1547.72 1037.69,1547.72 1041.47,1543.94 R41.1@1041.47,1540 1041.47,1468.47 971.44,1398.44 C43.1@971.44,1348.3 ; v1(1133.78,1169.29) 1133.93,1169.15 1173.87,1169.15 C76.2@1174.02,1169 ; v1(1133.78,1452.76) 1134.47,1453.45 1172.46,1453.45 C63.2@1174.02,1455 ; v1(1134,1367) 1134.69,1366.31 1168.27,1366.31 C66.2@1174.02,1360.56 ; C61.2@1174.02,1072 1174.02,1070.03 1231.05,1013 1404,1013 v1(1448,969) 1448,893 1583,758 v2(1697,758) ; C61.2@1174.02,1073.97 1168.27,1079.72 1166.3,1079.72 1161.71,1084.31 1135.69,1084.31 v1(1135,1085) 1083,1085 971.44,1196.56 C43.1@971.44,1348.3 ; C68.2@1405.72,1635.67 1405.72,1651.56 1414.17,1660.02 v1(1414.17,1661) ; C57.2@1796.06,1311.67 1796.06,1313.63 1801.81,1319.38 1822.26,1319.38 1827.64,1324.76 v1(1828.62,1324.76) ; v2(1916,758) 2043,758 2044,759
  Bottom Layer w23: v1@2072.56,1430.84 2044,1402.28 2044,859.74 v1(2072.56,831.18) ; v1(2072.56,1431.18) C19.2@2118.59,1431.18 ; v1@2072.56,1431.35 2044,1459.9 2044,1778 2044,2002.45 v1@2072.56,2031.01 ; v1(2072.56,2031.18) C18.2@2118.59,2031.18 2122.84,2026.93 2122.84,2009.16 2146,1986 2470.12,1986 v1(2615.3,2131.18) ; R8.1@2116.62,281.18 2117.61,280.19 2117.61,232.16 C21.2@2118.59,231.18 v1(2072.56,231.18) 2072.56,231.35 2044,259.9 2044,759 2044,802.45 2072.56,831.01 v1(2072.56,831.18) ; C20.2@2117.61,832.16 R7.1@2117.61,880.19 ; C19.2@2117.61,1432.16 R6.1@2117.61,1480.19 ; C18.2@2117.61,2032.16 R5.1@2117.61,2080.19 ; C20.2@2118.59,831.18 v1(2072.56,831.18) ; C21.2@2122.84,226.93 2122.84,224.96 2150.84,196.96 2481.08,196.96 v1(2615.3,331.18) ; C20.2@2122.84,826.93 2122.84,809.16 2146,786 2470.12,786 v1(2615.3,931.18) ; C19.2@2122.84,1426.93 2122.84,1409.16 2146,1386 2470.12,1386 v1(2615.3,1531.18)
5V: C22.2 C23.2 C24.2 C25.2 C44.1 C45.1 C46.1 C47.1 C88.2 C90.2 F1.2 L8.2 P5.1 R43.2 T1.1 U6.2 U8.2 U10.2 U12.2 U24.7 U24.8 U24.9 U24.10 U24.16 U24.18 U24.19 | length 6283.8
  Top Layer w7.8: C44.1@1421,551.38 1413,543.38 1413,526 1439.5,499.5 U24.10@1439.5,480.07 ; C46.1@1422.97,293.07 1439.5,309.61 U24.16@1439.5,363.93 ; C44.1@1422.97,551.38 1429,545.35 1429,530 1455.25,503.75 U24.9@1455.25,480.07 ; U24.18@1471,363.93 1471,298.07 1476,293.07 1486.75,303.82 U24.19@1486.75,363.93 ; U24.8@1471,480.07 1471,545.94 C45.1@1476,550.94 1486.75,540.19 U24.7@1486.75,480.07
  Top Layer w10: 1190,292.5 T1.1@1190,339
  Top Layer w23: F1.2@514.06,1241 514.06,1208.94 871,852 1219,852 v2(1298,773) ; v2(1353.5,717.5) 1376,695 1376,594.41 1419.03,551.38 C44.1@1421,551.38
  Top Layer w31: 1160,292.5 1190,292.5 v2(1380,292.5) C46.1@1421,292.5 C46.1@1421.25,292.75 ; C44.1@1421,551.38 1422.97,551.38 1436.74,565.15 1448.16,565.15 v2(1448.25,565.25) 1448.34,565.15 1459.82,565.15 1474.03,550.94 C45.1@1476,550.94 ; C46.1@1421.25,292.5 C47.1@1475.68,292.5
  Bottom Layer w23: v2(1298,773) v2(1353.5,717.5) ; v2(1448.25,565.25) v2@1449,566 ; v2@1448.25,566 v2@1449,566 ; U6.2@2713.15,2293.54 2713.15,2231.38 2692.68,2210.91 C22.2@2692.68,2205 2692.68,2199.09 2713.15,2178.62 U8.2@2713.15,1693.54 2713.15,1631.38 2692.68,1610.91 C23.2@2692.68,1604.99 2692.68,1599.09 2713.15,1578.62 U10.2@2713.15,1093.54 2713.15,1031.38 2692.68,1010.91 C24.2@2692.68,1004.99 2692.68,999.09 2713.15,978.62 U12.2@2713.15,493.54 2713.15,431.38 2692.68,410.91 C25.2@2692.68,404.99 2692.68,222.06 2639.58,168.96 2066.04,168.96 1994,241 1994,484 P5.1@1871,607 1547,607 1506,566 v2@1449,566
  Bottom Layer w31: v2(1380,292.5) 1380,497 v2(1448.25,565.25)
24V: C69.2 C72.2 P6.3 R42.2 U26.5
A5V_1: C26.2 C30.1 U6.4 U7.8 U14.3 | length 448.5
  Top Layer w23: U7.8@2855.67,2131.18 v1(2911,2131.18)
  Bottom Layer w23: C26.2@2892.68,2205 2892.68,2267.06 2913.15,2287.53 U6.4@2913.15,2293.54
  Bottom Layer w24: v1(2911,2131.18) C30.1@2890.71,2131.18 2891.69,2132.16 2891.69,2204.02 C26.2@2892.68,2205 2980,2205 3026.68,2251.68 3074.29,2251.68 U14.3@3074.48,2251.87
A5V_2: C27.2 C31.1 U8.4 U9.8 U15.3 | length 448.5
  Top Layer w23: U9.8@2855.67,1531.18 v1(2911,1531.18)
  Bottom Layer w23: C27.2@2892.68,1604.99 2892.68,1667.06 2913.15,1687.53 U8.4@2913.15,1693.54
  Bottom Layer w24: v1(2911,1531.18) C31.1@2890.71,1531.18 2891.69,1532.16 2891.69,1604.02 C27.2@2892.68,1604.99 2980,1605 3026.68,1651.68 3074.29,1651.68 U15.3@3074.48,1651.87
A5V_3: C28.2 C32.1 U10.4 U11.8 U16.3 | length 448.5
  Top Layer w23: U11.8@2855.67,931.18 v1(2911,931.18)
  Bottom Layer w23: C28.2@2892.68,1004.99 2892.68,1067.06 2913.15,1087.53 U10.4@2913.15,1093.54
  Bottom Layer w24: v1(2911,931.18) C32.1@2890.71,931.18 2891.69,932.16 2891.69,1004.02 C28.2@2892.68,1004.99 2980,1005 3026.68,1051.68 3074.29,1051.68 U16.3@3074.48,1051.87
A5V_4: C29.2 C33.1 U12.4 U13.8 U17.3 | length 448.5
  Top Layer w23: U13.8@2855.67,331.18 v1(2911,331.18)
  Bottom Layer w23: C29.2@2892.68,404.99 2892.68,467.06 2913.15,487.53 U12.4@2913.15,493.54
  Bottom Layer w24: v1(2911,331.18) C33.1@2890.71,331.18 2891.69,332.16 2891.69,404.02 C29.2@2892.68,404.99 2980,405 3026.68,451.68 3074.29,451.68 U17.3@3074.48,451.87
AGND_1: C26.1 C30.2 C34.1 D1.1 D2.1 P1.2 R17.2 U6.3 U7.5 U14.2 U14.8 U18.1 | length 2060.2
  Top Layer w23: U7.5@2855.67,1981.18 v1(2911,1981.18) ; D1.1@3192.49,2011 D1.1@3196.43,2011
  Top Layer w70: D2.1@3196.43,2427 3200.36,2427 3287.36,2340 3464,2340 3553.15,2250.85 P1.2@3553.15,2218.9 ; D1.1@3200.36,2010.8 3287.36,2097.8 3464,2097.8 P1.2@3553.15,2186.95
  Bottom Layer w23: U6.3@2813.15,2293.54 2813.15,2287.53 2833.62,2267.06 C26.1@2833.62,2205 2834.61,2204.02 2834.61,2132.16 C30.2@2835.59,2131.18 2835.59,2122.41 2865,2093 2923,2093 3031.87,2201.87 U14.2@3074.48,2201.87 3074.6,2201.75 3142.25,2201.75 3192.01,2151.99 3259.4,2151.99 U14.8@3259.52,2151.87 3302.87,2151.87 3369.9,2218.9 U18.1@3472.32,2218.9 P1.2@3553.15,2218.9 ; v1(2911,1981.18) 2911,2091
AGND_2: C27.1 C31.2 C35.1 D3.1 D4.1 P2.2 R18.2 U8.3 U9.5 U15.2 U15.8 U19.1 | length 2047.5
  Top Layer w23: U9.5@2855.67,1381.18 v1(2911,1381.18)
  Top Layer w70: D4.1@3196.43,1827 3200.36,1827 3287.36,1740 3464,1740 3553.15,1650.85 P2.2@3553.15,1618.9 ; D3.1@3200.36,1410.8 3287.36,1497.8 3464,1497.8 P2.2@3553.15,1586.95
  Bottom Layer w23: U8.3@2813.15,1693.54 2813.15,1687.53 2833.62,1667.06 C27.1@2833.62,1604.99 2834.61,1604.02 2834.61,1532.16 C31.2@2835.59,1531.18 ; C31.2@2835.59,1522.41 2865,1493 2923,1493 3031.87,1601.87 U15.2@3074.48,1601.87 3074.6,1601.75 3142.25,1601.75 3192.01,1551.99 3259.4,1551.99 U15.8@3259.52,1551.87 3302.87,1551.87 3369.9,1618.9 U19.1@3472.32,1618.9 P2.2@3553.15,1618.9 ; v1(2911,1381.18) 2911,1491
AGND_3: C28.1 C32.2 C36.1 D5.1 D6.1 P3.2 R19.2 U10.3 U11.5 U16.2 U16.8 U20.1 | length 2047.5
  Top Layer w23: U11.5@2855.67,781.18 v1(2911,781.18)
  Top Layer w70: D6.1@3196.43,1227 3200.36,1227 3287.36,1140 3464,1140 3553.15,1050.85 P3.2@3553.15,1018.9 ; D5.1@3200.36,810.8 3287.36,897.8 3464,897.8 P3.2@3553.15,986.95
  Bottom Layer w23: U10.3@2813.15,1093.54 2813.15,1087.53 2833.62,1067.06 C28.1@2833.62,1004.99 2834.61,1004.02 2834.61,932.16 C32.2@2835.59,931.18 ; C32.2@2835.59,922.41 2865,893 2923,893 3031.87,1001.87 U16.2@3074.48,1001.87 3074.6,1001.75 3142.25,1001.75 3192.01,951.99 3259.4,951.99 U16.8@3259.52,951.87 3302.87,951.87 3369.9,1018.9 U20.1@3472.32,1018.9 P3.2@3553.15,1018.9 ; v1(2911,781.18) 2911,891
AGND_4: C29.1 C33.2 C37.1 D7.1 D8.1 P4.2 R20.2 U12.3 U13.5 U17.2 U17.8 U21.1 | length 2047.5
  Top Layer w23: U13.5@2855.67,181.18 v1(2911,181.18)
  Top Layer w70: D8.1@3196.43,627 3200.36,627 3287.36,540 3464,540 3553.15,450.85 P4.2@3553.15,418.9 ; D7.1@3200.36,210.8 3287.36,297.8 3464,297.8 P4.2@3553.15,386.95
  Bottom Layer w23: U12.3@2813.15,493.54 2813.15,487.53 2833.62,467.06 C29.1@2833.62,404.99 2834.61,404.02 2834.61,332.16 C33.2@2835.59,331.18 ; C33.2@2835.59,322.41 2865,293 2923,293 3031.87,401.87 U17.2@3074.48,401.87 3074.6,401.75 3142.25,401.75 3192.01,351.99 3259.4,351.99 U17.8@3259.52,351.87 3302.87,351.87 3369.9,418.9 U21.1@3472.32,418.9 P4.2@3553.15,418.9 ; v1(2911,181.18) 2911,291
CAN1_H: D2.2 P1.1 R10.1 | length 150.6
  Top Layer w25: D2.2@3409.93,2422.95 P1.1@3549.1,2422.95
  Bottom Layer w25: v1(3405.87,2427) R10.1@3409.93,2422.95 ; P1.1@3549.1,2422.95 P1.1@3553.15,2418.9
CAN1_L: D1.2 P1.3 R9.1 | length 150.5
  Top Layer w25: D1.2@3409.82,2014.95 P1.3@3549.2,2014.95
  Bottom Layer w25: v1(3405.87,2011) R9.1@3409.82,2014.95 ; P1.3@3549.2,2014.95 P1.3@3553.15,2018.9
CAN1_RX: U2.2 U7.2 | length 272.6
  Top Layer w15: U2.2@2398.05,2081.18 U7.2@2670.63,2081.18
CAN1_TX: U2.1 U7.3 | length 272.6
  Top Layer w15: U2.1@2398.05,2031.18 U7.3@2670.63,2031.18
CAN2_H: D4.2 P2.1 R12.1 | length 150.6
  Top Layer w25: D4.2@3409.93,1822.95 P2.1@3549.1,1822.95
  Bottom Layer w25: v1(3405.87,1827) R12.1@3409.93,1822.95 ; P2.1@3549.1,1822.95 P2.1@3553.15,1818.9
CAN2_L: D3.2 P2.3 R11.1 | length 150.5
  Top Layer w25: D3.2@3409.82,1414.95 P2.3@3549.2,1414.95
  Bottom Layer w25: v1(3405.87,1411) R11.1@3409.82,1414.95 ; P2.3@3549.2,1414.95 P2.3@3553.15,1418.9
CAN2_RX: U3.2 U9.2 | length 272.6
  Top Layer w15: U3.2@2398.05,1481.18 U9.2@2670.63,1481.18
CAN2_TX: U3.1 U9.3 | length 272.6
  Top Layer w15: U3.1@2398.05,1431.18 U9.3@2670.63,1431.18
CAN3_H: D6.2 P3.1 R14.1 | length 150.6
  Top Layer w25: D6.2@3409.93,1222.95 P3.1@3549.1,1222.95
  Bottom Layer w25: v1(3405.87,1227) R14.1@3409.93,1222.95 ; P3.1@3549.1,1222.95 P3.1@3553.15,1218.9
CAN3_L: D5.2 P3.3 R13.1 | length 150.5
  Top Layer w25: D5.2@3409.82,814.95 P3.3@3549.2,814.95
  Bottom Layer w25: v1(3405.87,811) R13.1@3409.82,814.95 ; P3.3@3549.2,814.95 P3.3@3553.15,818.9
CAN3_RX: U4.2 U11.2 | length 272.6
  Top Layer w15: U4.2@2398.05,881.18 U11.2@2670.63,881.18
CAN3_TX: U4.1 U11.3 | length 272.6
  Top Layer w15: U4.1@2398.05,831.18 U11.3@2670.63,831.18